# KiCad board chastityRightV2.kicad_pcb
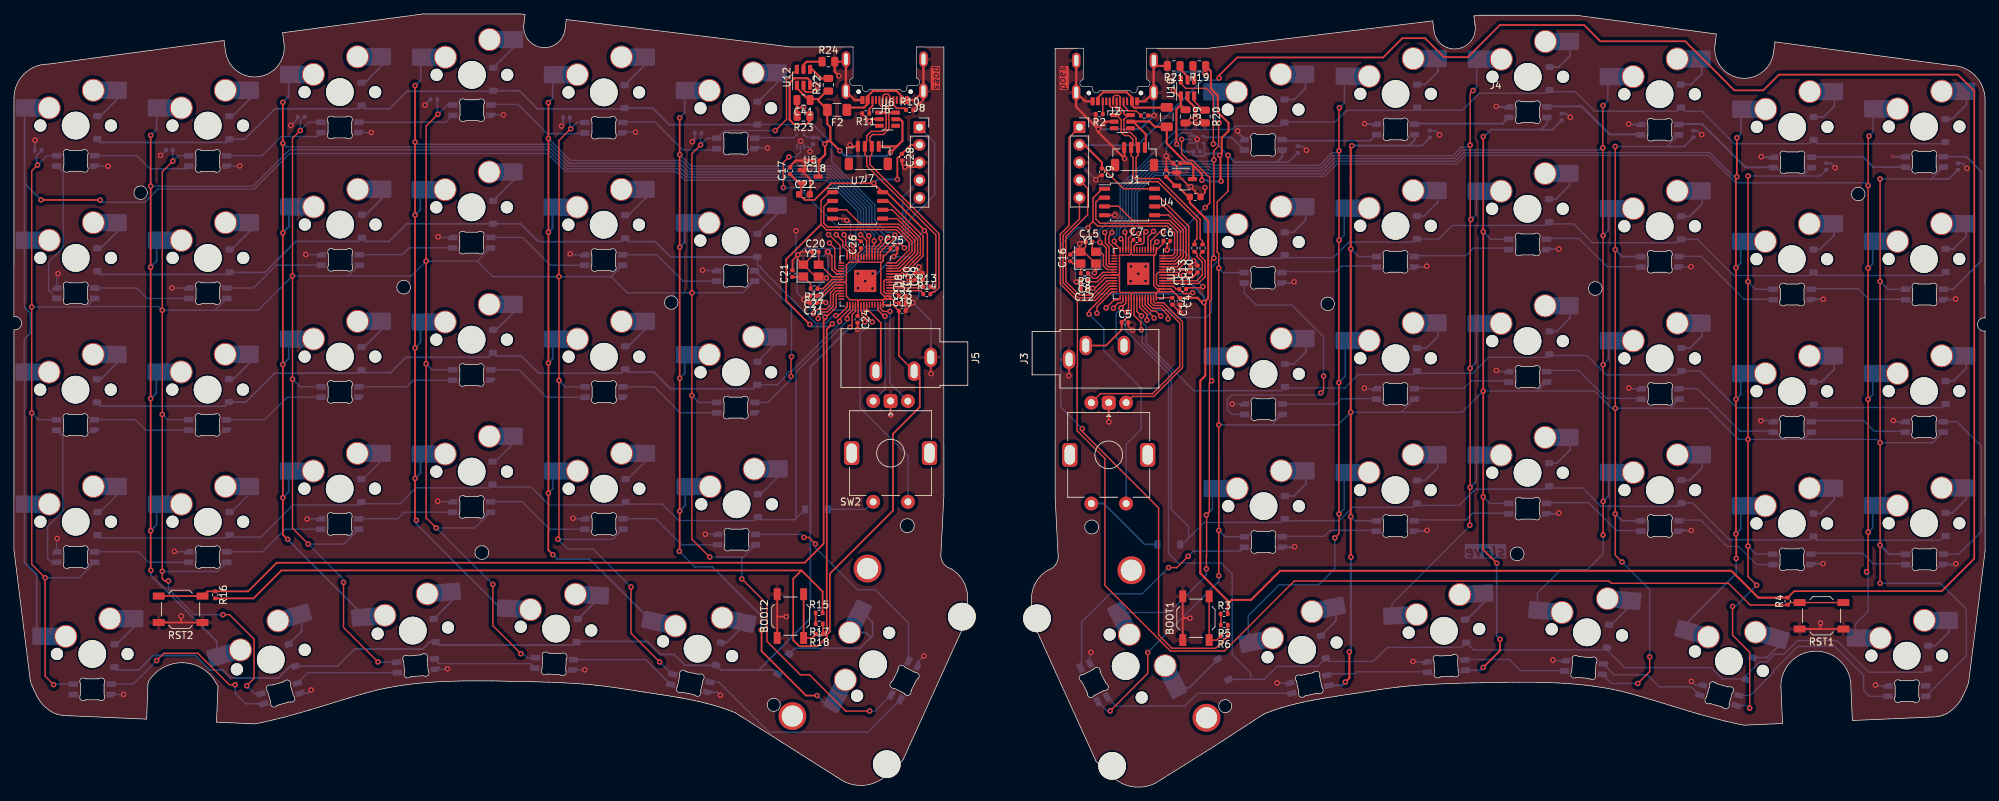
[diagram p0: board, top side]
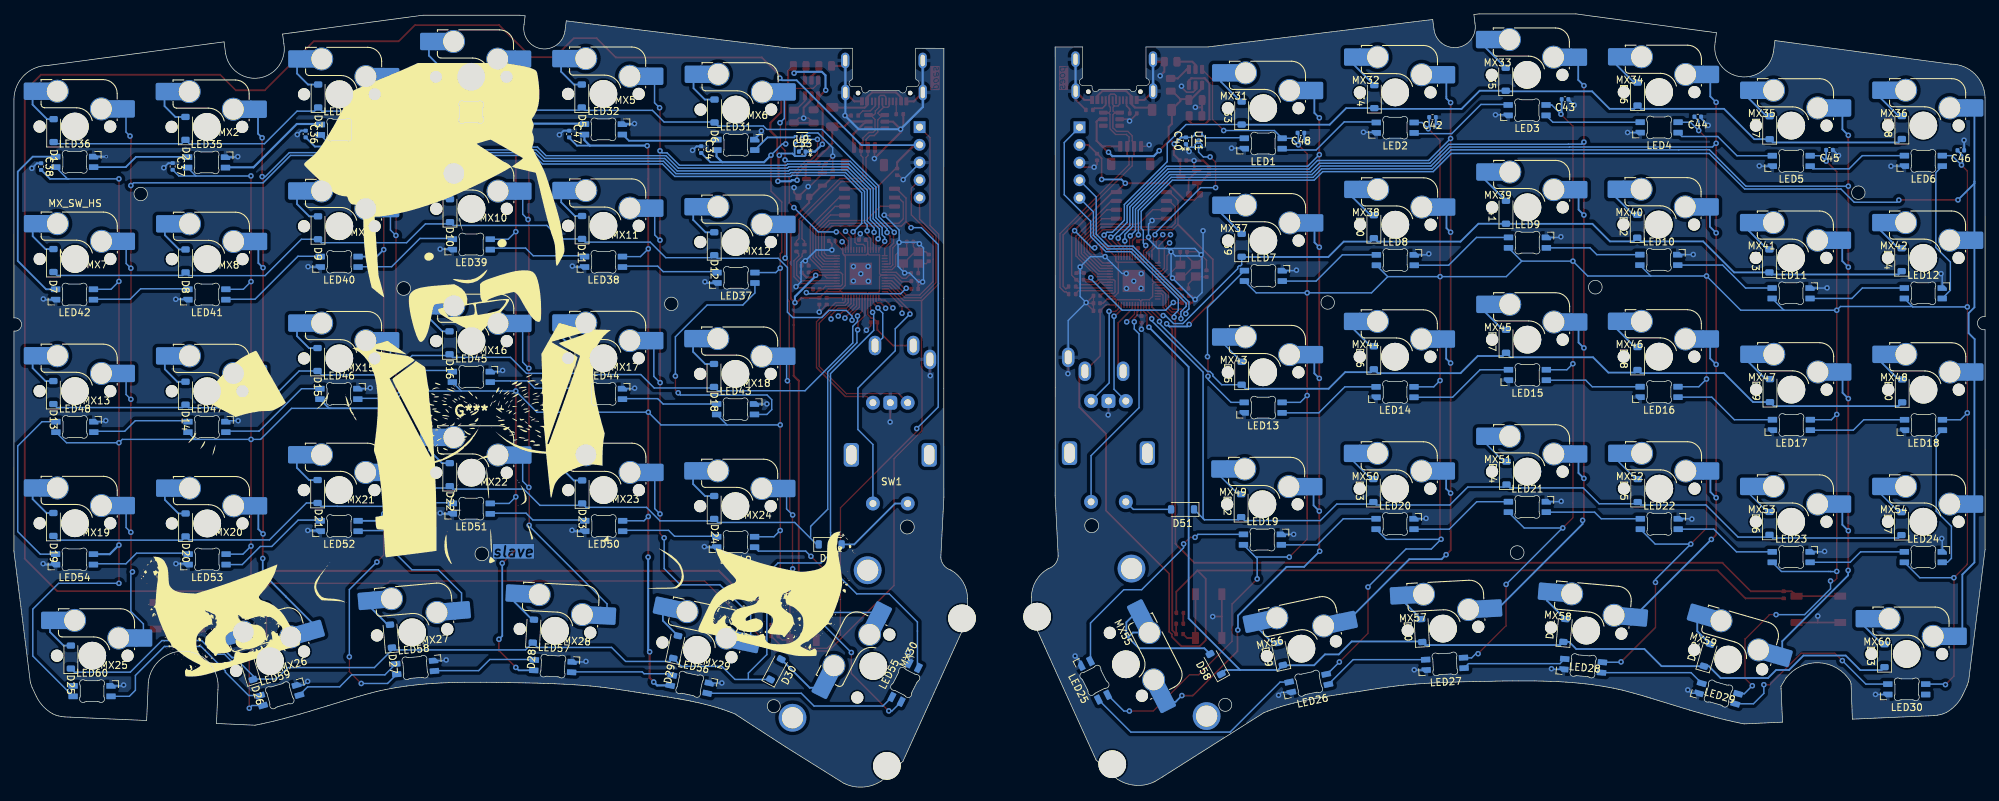
[diagram p1: board, bottom side, seen from below]

Outline 283.65 x 111.22 mm; copper layers: Top, Bottom. Coordinates in mm from the lower left corner of the outline.
Outline path: circle c18.24,85.51 r0.97 ; circle c56.09,71.92 r0.98 ; circle c67.33,33.74 r0.99 ; circle c94.6,69.71 r0.97 ; circle c109.34,11.84 r0.93 ; circle c128.56,37.61 r1 ; circle c155.09,37.42 r1 ; circle c174.31,11.65 r0.93 ; circle c189.06,69.52 r0.97 ; circle c216.32,33.55 r0.99 ; circle c227.56,71.73 r0.98 ; circle c265.41,85.32 r0.97 ; 38.84,107.18 arc(35.38,102.21) 30.46,105.74 30.24,107.39 4.91,104 arc(1.47,102.58) 0.01,99.16 0,67.69 arc(1.1,66.75) 0.01,65.79 0,34.16 2.37,15.25 2.61,14.56 3.22,13.26 arc(4.21,11.82) 5.58,10.74 6.06,10.54 6.39,10.44 6.85,10.35 7.36,10.29 8.13,10.26 19.1,9.78 19.29,14.83 19.37,15.21 arc(23.89,17.9) 28.66,15.7 29.38,14.5 29.36,14.21 29.15,9.35 34.69,9.1 35.59,9.28 37.41,9.69 38.94,10.08 41.18,10.7 42.52,11.09 45.17,11.9 48.21,12.83 48.68,12.97 49.31,13.16 49.91,13.33 50.54,13.51 51.29,13.71 52.23,13.96 52.78,14.08 53.52,14.24 54.88,14.49 56.47,14.73 57.44,14.85 58.28,14.94 59.36,15.04 60.31,15.11 61.46,15.18 62.54,15.22 64.84,15.28 67.97,15.28 69.47,15.27 71.12,15.23 73.63,15.19 75.71,15.14 76.25,15.11 76.95,15.1 77.77,15.07 79.18,15 80.66,14.92 81.96,14.83 83.01,14.74 83.67,14.67 84.39,14.59 85.08,14.51 86,14.39 87.19,14.22 88.41,14.03 89.3,13.89 89.99,13.78 90.58,13.69 91.33,13.58 91.89,13.5 92.51,13.4 92.84,13.35 93.3,13.28 94.07,13.16 94.62,13.07 95.1,12.99 95.56,12.91 95.68,12.89 95.79,12.87 95.97,12.84 96.14,12.81 96.4,12.76 96.74,12.7 97.04,12.64 97.4,12.57 97.81,12.48 98.05,12.43 98.5,12.33 98.94,12.23 99.55,12.08 100.21,11.91 100.89,11.72 101.39,11.57 101.93,11.4 102.76,11.11 103.23,10.93 103.78,10.71 118.4,1.46 119.49,0.8 arc(122.2,0.26) 124.82,1.12 127.94,3.92 136.76,23.35 137.25,26.29 137.23,27.33 arc(136.58,29.7) 134.83,31.42 arc(133.81,32.11) 133.38,33.26 133.82,41.91 133.81,57.5 133.81,70.5 133.82,106.46 129.85,106.47 ; 38.84,107.18 38.66,108.51 58.87,111.22 72.83,111.22 73.56,111.13 73.41,109.91 arc(75.84,106.41) 79.29,108.92 79.49,110.41 111.81,106.47 120.75,106.47 ; 148.82,31.23 arc(147.07,29.51) 146.42,27.14 146.4,26.1 146.89,23.16 155.71,3.73 158.87,0.87 arc(161.49,0.01) 164.2,0.55 172.62,5.81 179.87,10.52 180.42,10.74 180.89,10.92 181.72,11.21 182.26,11.38 182.76,11.53 183.44,11.72 184.1,11.89 184.71,12.04 185.15,12.14 185.6,12.24 185.84,12.29 186.25,12.38 186.61,12.45 186.91,12.51 187.25,12.57 187.51,12.62 187.68,12.65 187.86,12.68 187.97,12.7 188.09,12.72 188.55,12.8 189.03,12.88 189.58,12.97 190.35,13.09 190.81,13.16 191.14,13.21 191.76,13.31 192.32,13.39 193.07,13.5 193.66,13.59 194.35,13.7 195.24,13.84 196.46,14.03 197.65,14.2 198.57,14.32 199.26,14.4 199.98,14.48 200.64,14.55 201.69,14.64 202.99,14.73 204.47,14.81 205.88,14.88 206.7,14.91 207.4,14.92 207.94,14.95 210.02,15 212.53,15.04 214.18,15.08 215.68,15.09 218.81,15.09 221.11,15.03 222.19,14.99 223.34,14.92 224.29,14.85 225.37,14.75 226.21,14.66 227.18,14.54 228.77,14.3 230.13,14.05 230.87,13.89 231.42,13.77 232.36,13.52 233.11,13.32 233.74,13.14 234.34,12.97 234.97,12.78 235.44,12.64 238.48,11.71 241.13,10.9 242.47,10.51 244.71,9.89 246.24,9.5 248.06,9.09 248.96,8.91 254.5,9.16 254.29,14.02 arc(258.78,19.55) 264.31,15.06 264.55,9.59 275.52,10.07 276.29,10.1 276.8,10.16 277.26,10.25 277.59,10.35 278.07,10.55 arc(279.44,11.63) 280.43,13.07 281.04,14.37 281.28,15.06 283.65,33.97 283.64,65.6 arc(282.55,66.55) 283.65,67.5 283.64,98.97 arc(282.18,102.39) 278.74,103.81 253.41,107.2 253.19,105.55 arc(248.27,102.02) 244.81,106.99 ; 148.82,31.23 arc(149.84,31.92) 150.27,33.07 149.83,41.72 149.84,57.31 149.84,70.31 149.83,106.27 153.89,106.28 ; 162.99,106.28 171.84,106.28 204.16,110.22 204.36,108.73 arc(207.81,106.22) 210.24,109.72 210.09,110.94 210.82,111.03 224.78,111.03 244.99,108.32 244.81,106.99

## Placement (name value [footprint] x y rotation side)
BOOT1  SW_Push  [SW_SPST_TL3342]  170.09 24.31 90 top
BOOT2  SW_Push  [SW_SPST_TL3342]  111.74 24.6 90 top
C1  1u  [C_0402_1005Metric]  167.33 89.73 180 top
C2  1u  [C_0402_1005Metric]  165.82 88.27 90 top
C3  10u  [C_0603_1608Metric]  169.99 84.9 0 top
C4  1u  [C_0402_1005Metric]  167.75 69.9 270 top
C5  100n  [C_0402_1005Metric]  159.88 66.86 0 top
C6  100n  [C_0402_1005Metric]  165.9 78.58 0 top
C7  100n  [C_0402_1005Metric]  161.56 78.72 0 top
C8  100n  [C_0402_1005Metric]  154.03 72.8 180 top
C9  100n  [C_0402_1005Metric]  156.56 88.5 270 top
C10  100n  [C_0402_1005Metric]  170.32 74.52 90 top
C11  1u  [C_0402_1005Metric]  168.18 71.62 0 top
C12  100n  [C_0402_1005Metric]  154.01 71.66 180 top
C13  100n  [C_0402_1005Metric]  169.28 74.52 90 top
C14  1u  [C_0402_1005Metric]  166.68 69.9 270 top
C15  22p  [C_0402_1005Metric]  154.7 78.43 0 top
C16  22p  [C_0402_1005Metric]  152.01 76.13 90 top
C17  1u  [C_0402_1005Metric]  111.68 88.65 90 top
C18  1u  [C_0402_1005Metric]  115.42 90.15 180 top
C19  1u  [C_0402_1005Metric]  127.83 68.51 0 top
C20  22p  [C_0402_1005Metric]  115.33 77 0 top
C21  22p  [C_0402_1005Metric]  112.04 73.86 90 top
C22  10u  [C_0603_1608Metric]  113.76 85.28 0 top
C23  1u  [C_0402_1005Metric]  127.83 69.6 0 top
C24  100n  [C_0402_1005Metric]  121.4 67.28 270 top
C25  100n  [C_0402_1005Metric]  126.62 77.5 0 top
C26  100n  [C_0402_1005Metric]  121.88 78.02 90 top
C27  100n  [C_0402_1005Metric]  115.07 70.67 180 top
C28  100n  [C_0402_1005Metric]  127.79 90.63 270 top
C29  100n  [C_0402_1005Metric]  130.77 73.47 90 top
C30  1u  [C_0402_1005Metric]  129.7 73.47 90 top
C31  100n  [C_0402_1005Metric]  115.06 69.66 180 top
C32  100n  [C_0402_1005Metric]  127.82 70.69 0 top
C33  100n  [C_0402_1005Metric]  170.21 91.41 180 bottom
C34  100u  [C_0402_1005Metric]  184.75 91.7 270 bottom
C35  100u  [C_0402_1005Metric]  222.73 96.4 270 bottom
C36  100u  [C_0402_1005Metric]  241.66 93.94 270 bottom
C37  100u  [C_0402_1005Metric]  260.8 89.28 270 bottom
C38  100u  [C_0402_1005Metric]  279.73 89.26 270 bottom
C39  100n  [C_0805_2012Metric]  168.58 96.48 270 top
C40  100n  [C_0402_1005Metric]  114.99 92.98 90 bottom
C41  100n  [C_0805_2012Metric]  113.63 98.83 180 top
C42  100u  [C_0402_1005Metric]  79.51 96.36 0 bottom
C43  100u  [C_0402_1005Metric]  60.45 98.94 0 bottom
C44  100u  [C_0402_1005Metric]  41.35 96.43 0 bottom
C45  100u  [C_0402_1005Metric]  22.39 91.64 0 bottom
C46  100u  [C_0402_1005Metric]  3.5 91.6 0 bottom
C47  100u  [C_0402_1005Metric]  203.75 93.94 270 bottom
C48  100u  [C_0402_1005Metric]  98.46 94.11 0 bottom
D1  D_Small  [D_SOD-123]  277.93 94.44 90 bottom
D2  D_Small  [D_SOD-123]  258.96 94.76 90 bottom
D3  D_Small  [D_SOD-123]  239.87 99.41 90 bottom
D4  D_Small  [D_SOD-123]  220.98 101.92 90 bottom
D5  D_Small  [D_SOD-123]  201.93 99.41 90 bottom
D6  D_Small  [D_SOD-123]  182.84 97.25 90 bottom
D7  D_Small  [D_SOD-123]  277.96 75.75 90 bottom
D8  D_Small  [D_SOD-123]  258.95 75.69 90 bottom
D9  D_Small  [D_SOD-123]  239.89 80.46 90 bottom
D10  D_Small  [D_SOD-123]  220.9 82.92 90 bottom
D11  D_Small  [D_SOD-123]  201.89 80.5 90 bottom
D12  D_Small  [D_SOD-123]  182.88 78.16 90 bottom
D13  D_Small  [D_SOD-123]  277.98 56.76 90 bottom
D14  D_Small  [D_SOD-123]  258.96 56.66 90 bottom
D15  D_Small  [D_SOD-123]  239.95 61.51 90 bottom
D16  D_Small  [D_SOD-123]  220.96 63.91 90 bottom
D17  D_Small  [D_SOD-123]  201.91 61.5 90 bottom
D18  D_Small  [D_SOD-123]  182.91 59.22 90 bottom
D19  D_Small  [D_SOD-123]  277.97 37.79 90 bottom
D20  D_Small  [D_SOD-123]  258.95 37.71 90 bottom
D21  D_Small  [D_SOD-123]  239.94 42.53 90 bottom
D22  D_Small  [D_SOD-123]  220.93 44.95 90 bottom
D23  D_Small  [D_SOD-123]  201.89 42.47 90 bottom
D24  D_Small  [D_SOD-123]  182.88 40.23 90 bottom
D25  D_Small  [D_SOD-123]  275.45 18.71 90 bottom
D26  D_Small  [D_SOD-123]  249.73 17.06 73 bottom
D27  D_Small  [D_SOD-123]  229.39 21.72 85 bottom
D28  D_Small  [D_SOD-123]  208.9 22.44 93 bottom
D29  D_Small  [D_SOD-123]  188.43 20.16 102 bottom
D30  D_Small  [D_SOD-123]  174.02 16.95 118 bottom
D31  D_Small  [D_SOD-123]  166.19 34.92 180 bottom
D33  D_Small  [D_SOD-123]  106.98 96.96 90 bottom
D34  D_Small  [D_SOD-123]  87.89 99.32 90 bottom
D35  D_Small  [D_SOD-123]  68.98 101.82 90 bottom
D36  D_Small  [D_SOD-123]  50.01 99.7 90 bottom
D37  D_Small  [D_SOD-123]  31 94.85 90 bottom
D38  D_Small  [D_SOD-123]  11.98 94.87 90 bottom
D39  D_Small  [D_SOD-123]  106.98 77.94 90 bottom
D40  D_Small  [D_SOD-123]  87.96 80.61 90 bottom
D41  D_Small  [D_SOD-123]  68.95 82.69 90 bottom
D42  D_Small  [D_SOD-123]  50.06 80.68 90 bottom
D43  D_Small  [D_SOD-123]  31.04 75.69 90 bottom
D44  D_Small  [D_SOD-123]  12 75.86 90 bottom
D45  D_Small  [D_SOD-123]  106.98 59.53 90 bottom
D46  D_Small  [D_SOD-123]  87.96 61.76 90 bottom
D47  D_Small  [D_SOD-123]  68.94 64.13 90 bottom
D48  D_Small  [D_SOD-123]  50.02 61.65 90 bottom
D49  D_Small  [D_SOD-123]  30.96 57.04 90 bottom
D50  D_Small  [D_SOD-123]  11.93 57 90 bottom
D51  D_Small  [D_SOD-123]  115.49 39.95 0 bottom
D52  D_Small  [D_SOD-123]  107.06 40.49 90 bottom
D53  D_Small  [D_SOD-123]  88.03 42.66 90 bottom
D54  D_Small  [D_SOD-123]  68.87 45.18 90 bottom
D55  D_Small  [D_SOD-123]  49.98 42.66 90 bottom
D56  D_Small  [D_SOD-123]  31.03 37.94 90 bottom
D57  D_Small  [D_SOD-123]  12.04 37.91 90 bottom
D58  D_Small  [D_SOD-123]  110.72 17.71 61 bottom
D59  D_Small  [D_SOD-123]  101.38 19.17 78 bottom
D60  D_Small  [D_SOD-123]  81.08 22.52 87 bottom
D61  D_Small  [D_SOD-123]  60.55 22.54 95 bottom
D62  D_Small  [D_SOD-123]  40 18.99 106 bottom
D63  D_Small  [D_SOD-123]  14.47 18.91 90 bottom
F1  Fuse_Small  [Fuse_1206_3216Metric]  165.89 96.39 270 top
F2  Fuse_Small  [Fuse_1206_3216Metric]  118.46 97.42 180 top
G***  LOGO  [mrSlave2]  217.83 54.1 180 bottom
J1  Conn_01x04  [JST_SH_BM04B-SRSS-TB_1x04-1MP_P1.00mm_Vertical]  161.26 90.68 180 top
J2  USB_C_Receptacle_USB2.0  [USB_C_Receptacle_HRO_TYPE-C-31-M-14]  158.43 99.84 180 top
J3  AudioJack3  [Jack_3.5mm_CUI_SJ1-3533NG_Horizontal]  151.84 61.52 90 top
J4  Conn_01x05  [PinSocket_1x05_P2.54mm_Vertical]  153.33 94.94 0 top
J5  AudioJack3  [Jack_3.5mm_CUI_SJ1-3533NG_Horizontal]  131.94 61.82 270 top
J6  USB_C_Receptacle_USB2.0  [USB_C_Receptacle_HRO_TYPE-C-31-M-14]  125.3 100.03 180 top
J7  Conn_01x04  [JST_SH_BM04B-SRSS-TB_1x04-1MP_P1.00mm_Vertical]  122.95 90.85 180 top
J8  Conn_01x05  [PinSocket_1x05_P2.54mm_Vertical]  130.31 94.91 0 top
LED1  SK6803MINI-E  [LED_MX_6028R]  103.88 92.58 180 bottom
LED2  SK6803MINI-E  [LED_MX_6028R]  84.89 94.85 180 bottom
LED3  SK6803MINI-E  [LED_MX_6028R]  65.91 97.37 180 bottom
LED4  SK6803MINI-E  [LED_MX_6028R]  46.91 94.89 180 bottom
LED5  SK6803MINI-E  [LED_MX_6028R]  27.9 90.07 180 bottom
LED6  SK6803MINI-E  [LED_MX_6028R]  8.89 90.08 180 bottom
LED7  SK6803MINI-E  [LED_MX_6028R]  103.86 73.54 0 bottom
LED8  SK6803MINI-E  [LED_MX_6028R]  84.87 75.82 0 bottom
LED9  SK6803MINI-E  [LED_MX_6028R]  65.86 78.32 0 bottom
LED10  SK6803MINI-E  [LED_MX_6028R]  46.96 75.84 0 bottom
LED11  SK6803MINI-E  [LED_MX_6028R]  27.92 71.04 0 bottom
LED12  SK6803MINI-E  [LED_MX_6028R]  8.9 71.04 0 bottom
LED13  SK6803MINI-E  [LED_MX_6028R]  103.89 54.59 180 bottom
LED14  SK6803MINI-E  [LED_MX_6028R]  84.91 56.83 180 bottom
LED15  SK6803MINI-E  [LED_MX_6028R]  65.86 59.29 180 bottom
LED16  SK6803MINI-E  [LED_MX_6028R]  46.92 56.84 180 bottom
LED17  SK6803MINI-E  [LED_MX_6028R]  27.87 52.1 180 bottom
LED18  SK6803MINI-E  [LED_MX_6028R]  8.86 52.09 180 bottom
LED19  SK6803MINI-E  [LED_MX_6028R]  103.99 35.61 0 bottom
LED20  SK6803MINI-E  [LED_MX_6028R]  84.91 37.85 0 bottom
LED21  SK6803MINI-E  [LED_MX_6028R]  65.87 40.31 0 bottom
LED22  SK6803MINI-E  [LED_MX_6028R]  46.88 37.86 0 bottom
LED23  SK6803MINI-E  [LED_MX_6028R]  27.9 33.09 0 bottom
LED24  SK6803MINI-E  [LED_MX_6028R]  8.89 33.09 0 bottom
LED25  SK6803MINI-E  [LED_MX_6028R]  128.17 15.37 243 bottom
LED26  SK6803MINI-E  [LED_MX_6028R]  97.32 14.95 168 bottom
LED27  SK6803MINI-E  [LED_MX_6028R]  77.74 17.73 177 bottom
LED28  SK6803MINI-E  [LED_MX_6028R]  57.84 17.46 185 bottom
LED29  SK6803MINI-E  [LED_MX_6028R]  38.37 13.47 196 bottom
LED30  SK6803MINI-E  [LED_MX_6028R]  11.27 14.08 180 bottom
LED31  SK6803MINI-E  [LED_MX_6028R]  179.77 92.39 0 bottom
LED32  SK6803MINI-E  [LED_MX_6028R]  198.82 94.62 0 bottom
LED33  SK6803MINI-E  [LED_MX_6028R]  217.86 97.08 0 bottom
LED34  SK6803MINI-E  [LED_MX_6028R]  236.83 94.56 0 bottom
LED35  SK6803MINI-E  [LED_MX_6028R]  255.93 89.86 0 bottom
LED36  SK6803MINI-E  [LED_MX_6028R]  274.9 89.93 0 bottom
LED37  SK6803MINI-E  [LED_MX_6028R]  179.75 73.26 180 bottom
LED38  SK6803MINI-E  [LED_MX_6028R]  198.8 75.56 180 bottom
LED39  SK6803MINI-E  [LED_MX_6028R]  217.83 78.06 180 bottom
LED40  SK6803MINI-E  [LED_MX_6028R]  236.85 75.56 180 bottom
LED41  SK6803MINI-E  [LED_MX_6028R]  255.88 70.86 180 bottom
LED42  SK6803MINI-E  [LED_MX_6028R]  274.93 70.86 180 bottom
LED43  SK6803MINI-E  [LED_MX_6028R]  179.8 54.36 0 bottom
LED44  SK6803MINI-E  [LED_MX_6028R]  198.8 56.56 0 bottom
LED45  SK6803MINI-E  [LED_MX_6028R]  217.83 59.01 0 bottom
LED46  SK6803MINI-E  [LED_MX_6028R]  236.89 56.56 0 bottom
LED47  SK6803MINI-E  [LED_MX_6028R]  255.88 51.81 0 bottom
LED48  SK6803MINI-E  [LED_MX_6028R]  274.88 51.81 0 bottom
LED49  SK6803MINI-E  [LED_MX_6028R]  179.8 35.26 180 bottom
LED50  SK6803MINI-E  [LED_MX_6028R]  198.78 37.56 180 bottom
LED51  SK6803MINI-E  [LED_MX_6028R]  217.83 40.06 180 bottom
LED52  SK6803MINI-E  [LED_MX_6028R]  236.85 37.56 180 bottom
LED53  SK6803MINI-E  [LED_MX_6028R]  255.85 32.76 180 bottom
LED54  SK6803MINI-E  [LED_MX_6028R]  274.93 32.76 180 bottom
LED55  SK6803MINI-E  [LED_MX_6028R]  155.4 15.06 297 bottom
LED56  SK6803MINI-E  [LED_MX_6028R]  186.4 14.8 12 bottom
LED57  SK6803MINI-E  [LED_MX_6028R]  206.08 17.41 3 bottom
LED58  SK6803MINI-E  [LED_MX_6028R]  225.92 17.21 355 bottom
LED59  SK6803MINI-E  [LED_MX_6028R]  245.4 13.21 344 bottom
LED60  SK6803MINI-E  [LED_MX_6028R]  272.4 13.81 0 bottom
MX1  MX_SW_HS  [SW_MX_HS_1u]  274.87 95.02 180 bottom
MX2  MX_SW_HS  [SW_MX_HS_1u]  255.88 94.97 180 bottom
MX3  MX_SW_HS  [SW_MX_HS_1u]  236.81 99.66 180 bottom
MX4  MX_SW_HS  [SW_MX_HS_1u]  217.84 102.17 180 bottom
MX5  MX_SW_HS  [SW_MX_HS_1u]  198.82 99.71 180 bottom
MX6  MX_SW_HS  [SW_MX_HS_1u]  179.76 97.46 180 bottom
MX7  MX_SW_HS  [SW_MX_HS_1u]  274.85 75.97 180 bottom
MX8  MX_SW_HS  [SW_MX_HS_1u]  255.83 75.95 180 bottom
MX9  MX_SW_HS  [SW_MX_HS_1u]  236.82 80.68 180 bottom
MX10  MX_SW_HS  [SW_MX_HS_1u]  217.79 83.19 180 bottom
MX11  MX_SW_HS  [SW_MX_HS_1u]  198.82 80.74 180 bottom
MX12  MX_SW_HS  [SW_MX_HS_1u]  179.8 78.41 180 bottom
MX13  MX_SW_HS  [SW_MX_HS_1u]  274.86 56.97 180 bottom
MX14  MX_SW_HS  [SW_MX_HS_1u]  255.84 56.95 180 bottom
MX15  MX_SW_HS  [SW_MX_HS_1u]  236.82 61.67 180 bottom
MX16  MX_SW_HS  [SW_MX_HS_1u]  217.8 64.16 180 bottom
MX17  MX_SW_HS  [SW_MX_HS_1u]  198.82 61.69 180 bottom
MX18  MX_SW_HS  [SW_MX_HS_1u]  179.82 59.44 180 bottom
MX19  MX_SW_HS  [SW_MX_HS_1u]  274.86 37.96 180 bottom
MX20  MX_SW_HS  [SW_MX_HS_1u]  255.83 37.93 180 bottom
MX21  MX_SW_HS  [SW_MX_HS_1u]  236.84 42.73 180 bottom
MX22  MX_SW_HS  [SW_MX_HS_1u]  217.8 45.23 180 bottom
MX23  MX_SW_HS  [SW_MX_HS_1u]  198.79 42.73 180 bottom
MX24  MX_SW_HS  [SW_MX_HS_1u]  179.82 40.42 180 bottom
MX25  MX_SW_HS  [SW_MX_HS_1u]  272.37 18.91 180 bottom
MX26  MX_SW_HS  [SW_MX_HS_1u]  246.78 18.12 164 bottom
MX27  MX_SW_HS  [SW_MX_HS_1u]  226.34 22.27 175 bottom
MX28  MX_SW_HS  [SW_MX_HS_1u]  205.78 22.49 183 bottom
MX29  MX_SW_HS  [SW_MX_HS_1u]  185.36 19.75 192 bottom
MX30  MX_SW_HS  [SW_MX_HS_1u]  159.98 17.42 117 bottom
MX31  MX_SW_HS  [SW_MX_HS_1u]  103.88 97.66 180 bottom
MX32  MX_SW_HS  [SW_MX_HS_1u]  84.89 99.93 180 bottom
MX33  MX_SW_HS  [SW_MX_HS_1u]  65.91 102.45 180 bottom
MX34  MX_SW_HS  [SW_MX_HS_1u]  46.91 99.97 180 bottom
MX35  MX_SW_HS  [SW_MX_HS_1u]  27.9 95.15 180 bottom
MX36  MX_SW_HS  [SW_MX_HS_1u]  8.89 95.16 180 bottom
MX37  MX_SW_HS  [SW_MX_HS_1u]  103.86 78.62 180 bottom
MX38  MX_SW_HS  [SW_MX_HS_1u]  84.87 80.9 180 bottom
MX39  MX_SW_HS  [SW_MX_HS_1u]  65.86 83.4 180 bottom
MX40  MX_SW_HS  [SW_MX_HS_1u]  46.96 80.92 180 bottom
MX41  MX_SW_HS  [SW_MX_HS_1u]  27.92 76.12 180 bottom
MX42  MX_SW_HS  [SW_MX_HS_1u]  8.9 76.12 180 bottom
MX43  MX_SW_HS  [SW_MX_HS_1u]  103.89 59.67 180 bottom
MX44  MX_SW_HS  [SW_MX_HS_1u]  84.91 61.91 180 bottom
MX45  MX_SW_HS  [SW_MX_HS_1u]  65.86 64.37 180 bottom
MX46  MX_SW_HS  [SW_MX_HS_1u]  46.92 61.92 180 bottom
MX47  MX_SW_HS  [SW_MX_HS_1u]  27.87 57.18 180 bottom
MX48  MX_SW_HS  [SW_MX_HS_1u]  8.86 57.17 180 bottom
MX49  MX_SW_HS  [SW_MX_HS_1u]  103.99 40.69 180 bottom
MX50  MX_SW_HS  [SW_MX_HS_1u]  84.91 42.93 180 bottom
MX51  MX_SW_HS  [SW_MX_HS_1u]  65.87 45.39 180 bottom
MX52  MX_SW_HS  [SW_MX_HS_1u]  46.88 42.94 180 bottom
MX53  MX_SW_HS  [SW_MX_HS_1u]  27.9 38.17 180 bottom
MX54  MX_SW_HS  [SW_MX_HS_1u]  8.89 38.17 180 bottom
MX55  MX_SW_HS  [SW_MX_HS_1u]  123.64 17.67 243 bottom
MX56  MX_SW_HS  [SW_MX_HS_1u]  98.38 19.92 168 bottom
MX57  MX_SW_HS  [SW_MX_HS_1u]  78 22.81 177 bottom
MX58  MX_SW_HS  [SW_MX_HS_1u]  57.4 22.52 185 bottom
MX59  MX_SW_HS  [SW_MX_HS_1u]  36.97 18.35 196 bottom
MX60  MX_SW_HS  [SW_MX_HS_1u]  11.27 19.16 180 bottom
R1  5K1  [R_0402_1005Metric]  162.68 96.6 0 top
R2  5K1  [R_0402_1005Metric]  156.18 96.8 180 top
R3  5K1  [R_0402_1005Metric]  174.16 24.92 0 top
R4  5K1  [R_0402_1005Metric]  255.24 26.75 90 top
R5  5K1  [R_0402_1005Metric]  174.18 23.32 180 top
R6  1k  [R_0402_1005Metric]  174.16 21.72 180 top
R7  27  [R_0402_1005Metric]  169.88 77.54 90 top
R8  27  [R_0402_1005Metric]  171.05 77.54 90 top
R9  1k  [R_0402_1005Metric]  154.03 73.92 180 top
R10  5K1  [R_0402_1005Metric]  128.89 97.41 0 top
R11  5K1  [R_0402_1005Metric]  122.58 96.91 180 top
R12  1k  [R_0402_1005Metric]  115.16 71.71 180 top
R13  27  [R_0402_1005Metric]  131.37 72 0 top
R14  27  [R_0402_1005Metric]  131.37 70.92 0 top
R15  5K1  [R_0402_1005Metric]  115.86 25.07 0 top
R16  5K1  [R_0402_1005Metric]  28.97 27.66 270 top
R17  5K1  [R_0402_1005Metric]  115.89 23.5 180 top
R18  1k  [R_0402_1005Metric]  115.91 22.01 180 top
R19  5.1k  [R_0805_2012Metric]  170.58 103.74 180 top
R20  5.1k  [R_0805_2012Metric]  171.4 96.47 270 top
R21  75k  [R_0805_2012Metric]  166.9 103.74 180 top
R22  5.1k  [R_0805_2012Metric]  117.19 101.03 90 top
R23  5.1k  [R_0805_2012Metric]  113.62 96.54 180 top
R24  75k  [R_0805_2012Metric]  117.2 104.35 0 top
RST1  SW_Push  [SW_SPST_TL3342]  260.12 24.65 180 top
RST2  SW_Push  [SW_SPST_TL3342]  23.99 25.58 180 top
S1  MX_stab  [STAB_MX_P_2u]  159.98 17.42 117 bottom
S2  MX_stab  [STAB_MX_P_2u]  123.65 17.66 63 top
SW1  RotaryEncoder_Switch  [ROT_Alps_EC11E-Switch]  157.54 47.8 180 top
SW2  RotaryEncoder_Switch  [ROT_Alps_EC11E-Switch]  126.15 48.04 180 top
U1  XC6206PxxxMR  [SOT-23-3]  168.45 87.46 0 top
U2  SRV05-4  [SOT-23-6-routable]  159.51 95.72 0 top
U3  RP2040  [QFN-56-1EP_7x7mm_P0.4mm_EP3.2x3.2mm]  161.79 73.85 270 top
U4  W25Q128JVS  [SOIC-8_5.23x5.23mm_P1.27mm]  160.54 84.17 0 top
U5  XC6206PxxxMR  [SOT-23-3]  114.59 87.81 0 top
U6  SRV05-4  [SOT-23-6-routable]  125.71 96.08 0 top
U7  W25Q128JVS  [SOIC-8_5.23x5.23mm_P1.27mm]  121.41 83.68 0 top
U8  RP2040  [QFN-56-1EP_7x7mm_P0.4mm_EP3.2x3.2mm]  122.5 72.81 270 top
U9  74AHC1G125  [DRL5]  170.22 93.18 0 bottom
U10  TPS2553DBVR  [SOT-23-6]  168.88 100.57 90 top
U11  74AHC1G125  [DRL5]  113.18 92.98 90 bottom
U12  TPS2553DBVR  [SOT-23-6]  113.62 102.1 90 top
Y1  Crystal_GND24  [Crystal_SMD_3225-4Pin_3.2x2.5mm]  154.59 76.16 0 top
Y2  Crystal_GND24  [Crystal_SMD_3225-4Pin_3.2x2.5mm]  114.7 74.3 0 top

## Library data of the parts
BOOT1 BOOT2 RST1 RST2 = -: Description: Push button switch, generic, two pins
C1-C38 C40 C42-C48 = -: Description: Unpolarized capacitor, small symbol
C39 C41 = -: Description: Unpolarized capacitor; LCSC: C1760
D1-D31 D33-D63 = -: Description: Diode, small symbol; Sim.Device: D; Sim.Pins: 1=K 2=A
F1 F2 = -: Description: Fuse, small symbol
J1 J7 = -: Description: Generic connector, single row, 01x04, script generated (kicad-library-utils/schlib/autogen/connector/)
J2 J6 = -: Description: USB 2.0-only Type-C Receptacle connector
J3 J5 = -: Description: Audio Jack, 3 Poles (Stereo / TRS)
J4 J8 = -: Description: Generic connector, single row, 01x05, script generated (kicad-library-utils/schlib/autogen/connector/)
LED1-LED60 = -: Description: Reverse mount adressable LED (WS2812 protocol); Field4: 1
MX1-MX60 = -: Description: Push button switch, normally open, two pins, 45° tilted
R1-R18 = -: Description: Resistor, small symbol
R19 R20 R22 R23 = -: Description: Resistor; LCSC: C27834
R21 R24 = -: Description: Resistor; LCSC: C17819
S1 S2 = -: Description: Cherry MX-style stabilizer
SW1 SW2 = -: Description: Rotary encoder, dual channel, incremental quadrate outputs, with switch
U1 U5 = -: Description: Positive 60-250mA Low Dropout Regulator, Fixed Output, SOT-23
U2 U6 = -: Description: ESD Protection Diodes with Low Clamping Voltage, SOT-23-6
U3 U8 = -: Description: A microcontroller by Raspberry Pi
U4 U7 = -: Description: 128Mb Serial Flash Memory, Standard/Dual/Quad SPI, SOIC-8
U9 U11 = -: Description: Single Buffer Gate Tri-State, Low-Voltage CMOS
U10 U12 = -: LCSC: C55266
Y1 Y2 = -: Description: Four pin crystal, GND on pins 2 and 4

## Footprints (pads in the part's own frame, mm; a bottom-side part is the same pattern mirrored in y, then rotated)
C_0402_1005Metric
  rrect 0.56x0.62 smd: 1(-0.48,0) 2(0.48,0)
C_0603_1608Metric
  rrect 0.9x0.95 smd: 1(-0.775,0) 2(0.775,0)
C_0805_2012Metric
  rrect 1x1.45 smd: 1(-0.95,0) 2(0.95,0)
Crystal_SMD_3225-4Pin_3.2x2.5mm
  rect 1.4x1.2 smd: 1(-1.1,-0.85) 2(1.1,-0.85) 3(1.1,0.85) 4(-1.1,0.85)
D_SOD-123
  rrect 0.9x1.2 smd: 1(-1.65,0) 2(1.65,0)
DRL5
  rect 0.553x0.254 smd: 1(-0.924,0.5) 2(-0.924,0) 3(-0.924,-0.5) 4(0.924,-0.5) 5(0.924,0.5)
Fuse_1206_3216Metric
  rrect 1.25x1.75 smd: 1(-1.4,0) 2(1.4,0)
Jack_3.5mm_CUI_SJ1-3533NG_Horizontal
  oval 2.8x1.8 hole 2x1: R(2,-7.9) S(0,0) T(2,-2.4)
JST_SH_BM04B-SRSS-TB_1x04-1MP_P1.00mm_Vertical
  rrect 0.6x1.55 smd: 1(-1.5,-1.325) 2(-0.5,-1.325) 3(0.5,-1.325) 4(1.5,-1.325)
  rrect 1.2x1.8 smd: MP(-2.8,1.2) MP(2.8,1.2)
LED_MX_6028R
  rrect 1.35x0.82 smd: 1(2.725,0.75) 2(2.725,-0.75) 3(-2.725,0.75) 4(-2.725,-0.75)
PinSocket_1x05_P2.54mm_Vertical
  rect 1.7x1.7 hole 1: 1(0,0)
  oval 1.7x1.7 hole 1: 2(0,-2.54) 3(0,-5.08) 4(0,-7.62) 5(0,-10.16)
QFN-56-1EP_7x7mm_P0.4mm_EP3.2x3.2mm
  rrect 1.29x1.29 smd: (-0.8,0.8) (-0.8,-0.8) (0.8,0.8) (0.8,-0.8)
  rrect 0.875x0.2 smd: 1(-3.438,2.6) 2(-3.438,2.2) 3(-3.438,1.8) 4(-3.438,1.4) 5(-3.438,1) 6(-3.438,0.6) 7(-3.438,0.2) 8(-3.438,-0.2) 9(-3.438,-0.6) 10(-3.438,-1) 11(-3.438,-1.4) 12(-3.438,-1.8) 13(-3.438,-2.2) 14(-3.438,-2.6) 29(3.438,-2.6) 30(3.438,-2.2) 31(3.438,-1.8) 32(3.438,-1.4) 33(3.438,-1) 34(3.438,-0.6) 35(3.438,-0.2) 36(3.438,0.2) 37(3.438,0.6) 38(3.438,1) 39(3.438,1.4) 40(3.438,1.8) 41(3.438,2.2) 42(3.438,2.6)
  rrect 0.2x0.875 smd: 15(-2.6,-3.438) 16(-2.2,-3.438) 17(-1.8,-3.438) 18(-1.4,-3.438) 19(-1,-3.438) 20(-0.6,-3.438) 21(-0.2,-3.438) 22(0.2,-3.438) 23(0.6,-3.438) 24(1,-3.438) 25(1.4,-3.438) 26(1.8,-3.438) 27(2.2,-3.438) 28(2.6,-3.438) 43(2.6,3.438) 44(2.2,3.438) 45(1.8,3.438) 46(1.4,3.438) 47(1,3.438) 48(0.6,3.438) 49(0.2,3.438) 50(-0.2,3.438) 51(-0.6,3.438) 52(-1,3.438) 53(-1.4,3.438) 54(-1.8,3.438) 55(-2.2,3.438) 56(-2.6,3.438)
  rect 3.2x3.2 smd: 57(0,0)
R_0402_1005Metric
  rrect 0.54x0.64 smd: 1(-0.51,0) 2(0.51,0)
R_0805_2012Metric
  rrect 1.025x1.4 smd: 1(-0.912,0) 2(0.912,0)
ROT_Alps_EC11E-Switch
  round 2 hole 1: A(-2.5,-7.5) B(2.5,-7.5) S1(2.5,7) S2(-2.5,7)
  rrect 2x2 hole 1: C(0,-7.5)
  rrect 2.2x3.4 hole 1.5x2.8: MP(-5.6,0) MP(5.6,0)
SOIC-8_5.23x5.23mm_P1.27mm
  rrect 1.6x0.6 smd: 1(-3.6,1.905) 2(-3.6,0.635) 3(-3.6,-0.635) 4(-3.6,-1.905) 5(3.6,-1.905) 6(3.6,-0.635) 7(3.6,0.635) 8(3.6,1.905)
SOT-23-3
  rrect 1.325x0.6 smd: 1(-1.137,0.95) 2(-1.137,-0.95) 3(1.137,0)
SOT-23-6
  rrect 1.325x0.6 smd: 1(-1.137,0.95) 2(-1.137,0) 3(-1.137,-0.95) 4(1.137,-0.95) 5(1.137,0) 6(1.137,0.95)
SOT-23-6-routable
  rrect 1.25x0.6 smd: 1(-1.175,0.95) 2(-1.175,0) 3(-1.175,-0.95) 4(1.175,-0.95) 5(1.175,0) 6(1.175,0.95)
STAB_MX_P_2u
  round 4 hole 3.048: (-11.906,6.985) (11.906,6.985)
  round 3.988 hole 3.988 unplated: (-11.906,-8.255) (11.906,-8.255)
SW_MX_HS_1u
  round 1.75 hole 1.75 unplated: (-5.08,0) (5.08,0)
  round 3.988 hole 3.988 unplated: (0,0)
  round 3.3 hole 3: 1(3.81,2.54) 2(-2.54,5.08)
  rect 1.65x2.5 smd: 1(5.635,2.54) 2(-4.34,5.08)
  rrect 2.55x2.5 smd: 1(7.36,2.54) 2(-6.09,5.08)
SW_SPST_TL3342
  rect 1.7x1 smd: 1(-3.15,1.9) 1(3.15,1.9) 2(-3.15,-1.9) 2(3.15,-1.9)
USB_C_Receptacle_HRO_TYPE-C-31-M-14
  round 0.65 hole 0.65 unplated: (-3.75,0) (3.75,0)
  rect 0.54x1.1 smd: A1(-3.2,1.2) A4(-2.45,1.2) A9(2.45,1.2) A12(3.2,1.2) B1(3.2,1.2) B4(2.45,1.2) B9(-2.45,1.2) B12(-3.2,1.2)
  rect 0.3x1.1 smd: A5(-1.25,1.2) A6(-0.25,1.2) A7(0.25,1.2) A8(1.25,1.2) B5(1.75,1.2) B6(0.75,1.2) B7(-0.75,1.2) B8(-1.75,1.2)
  oval 1.2x2.25 hole 0.6x1.65: S1(-5.595,-4.68) S1(-5.575,-0.08) S1(5.555,-4.68) S1(5.575,-0.08)
